# Altium PCB 1541 Interface for ZX-81.PcbDoc (part 1 of 2)
Units mm, origin at the board's own origin, x right, y up, seen from the top; angles counter-clockwise.
Board outline 70 x 70 mm, 2 copper layers (Top Layer, Bottom Layer), stack 1.569 mm thick; 47 components, 65 nets, 275 pads, 173 vias.
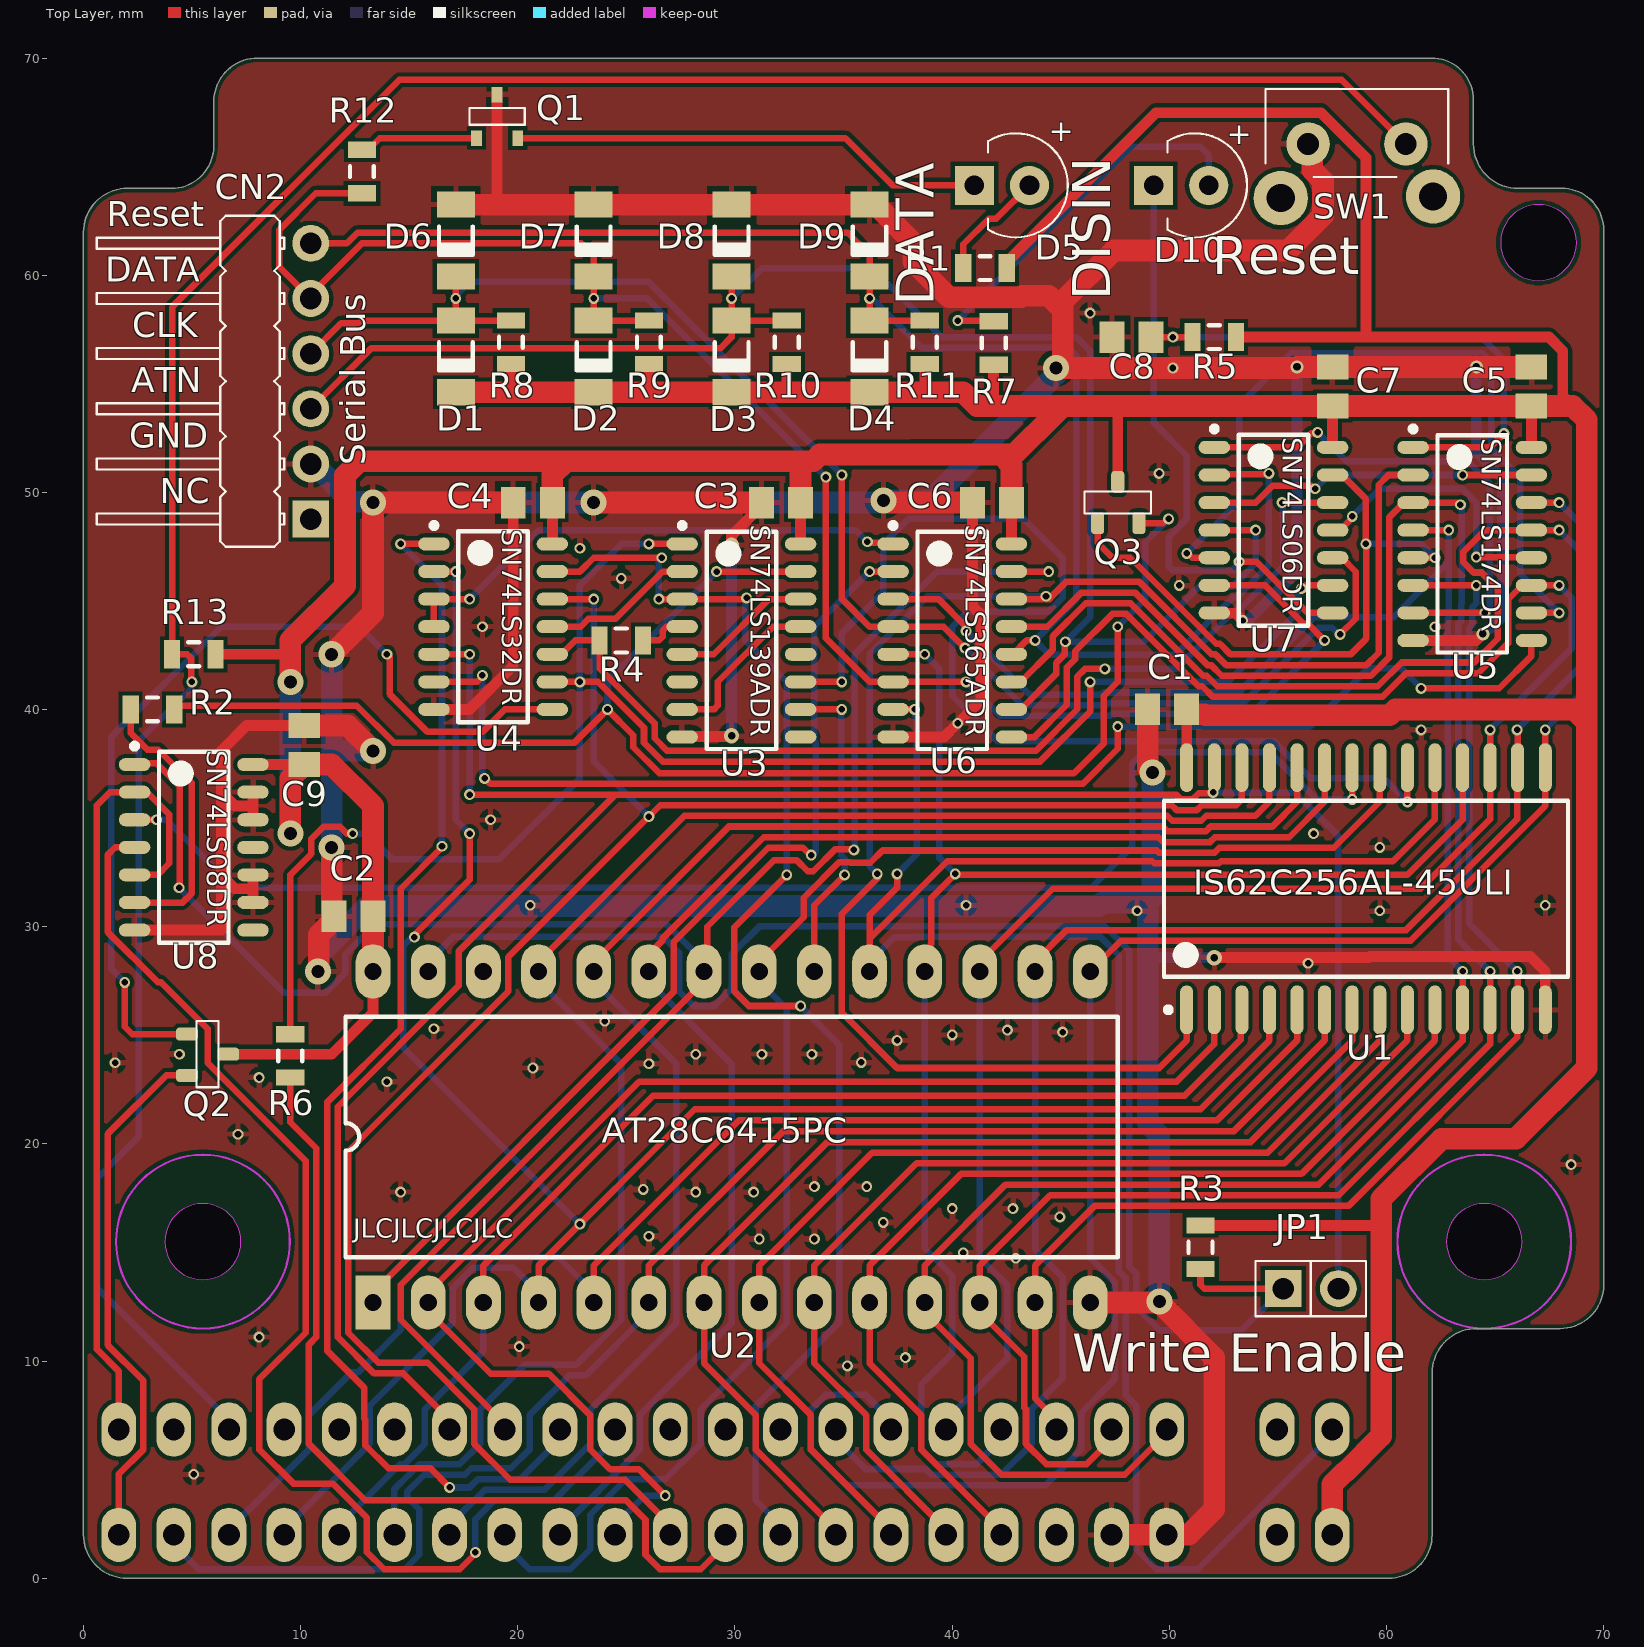
[diagram p0: Top Layer view]
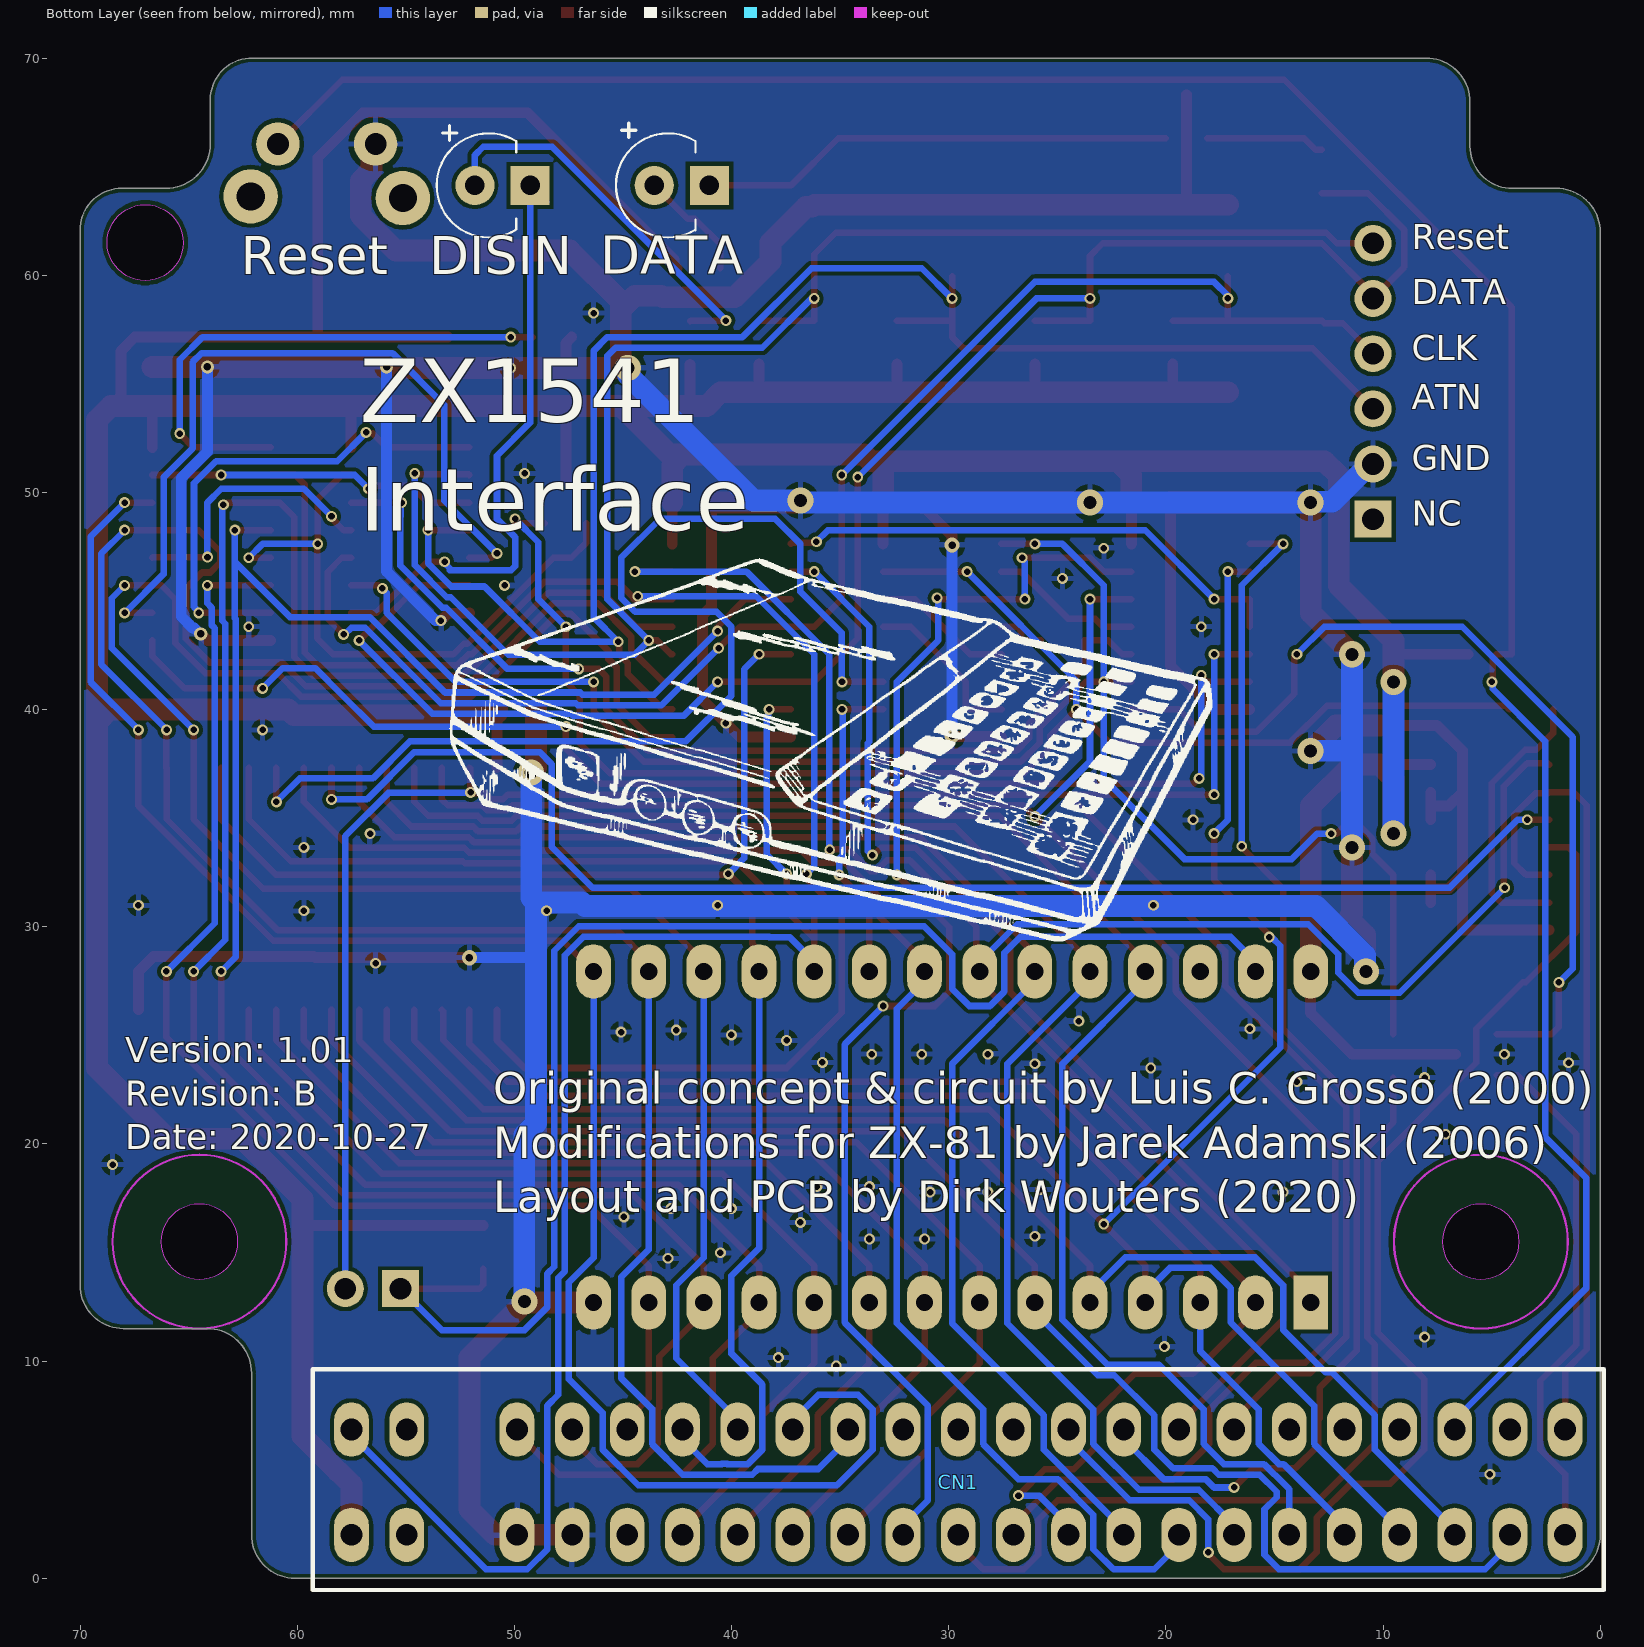
[diagram p1: Bottom Layer view, seen from below]
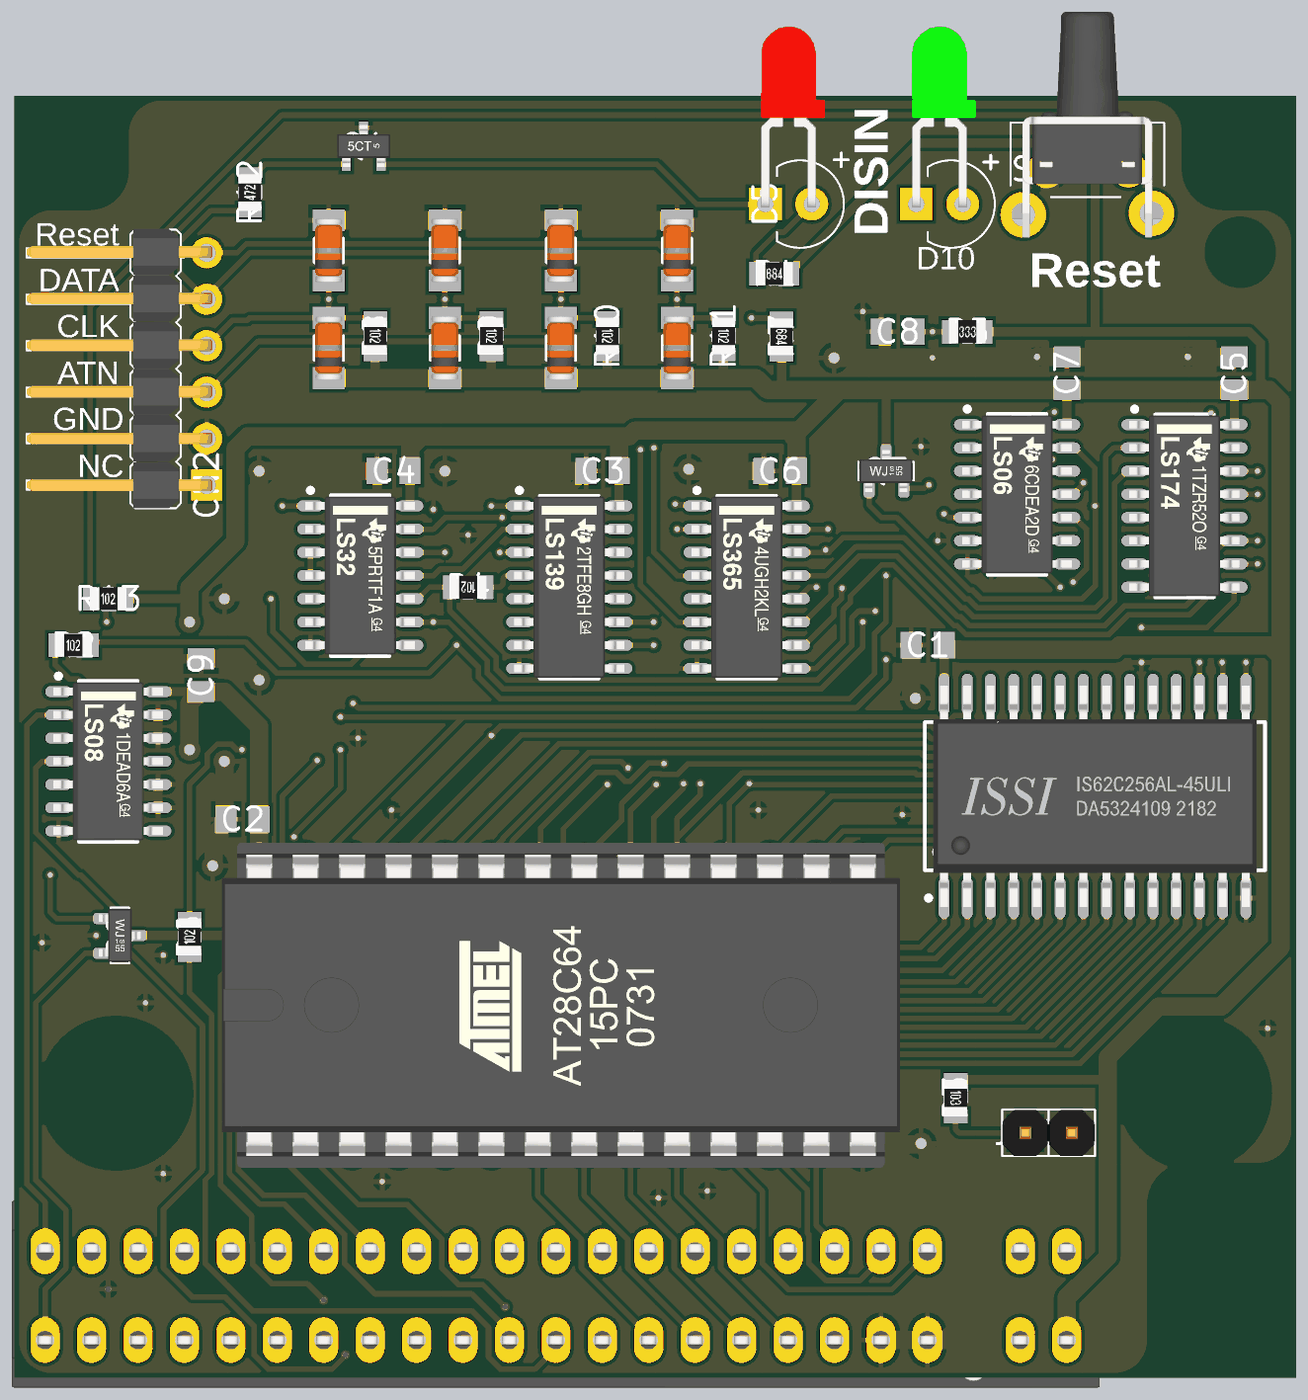
[diagram p3: 3D render of the assembled board from above, using the file's embedded part models]

## Layer stack, top to bottom
Top Solder: solder mask 0.0254, SM-001, Dk 4
Top Layer: signal copper 0.035
Dielectric 1: core 1.4986, Core-043, Dk 4.3
Bottom Layer: signal copper 0.035
Bottom Solder: solder mask 0.0254, SM-001, Dk 4

## Board outline
0,2 ccw(c2,2) 2,0 60.1,0 ccw(c60.1,2) 62.1,2 62.1,9.441 cw(c64.159,9.441) 64.159,11.5 68,11.5 ccw(c68,13.5) 70,13.5 70,62.08 ccw(c68.08,62.08) 68.08,64 66.048,64 cw(c66.048,66.048) 64,66.048 64,68.08 ccw(c62.08,68.08) 62.08,70 8.024,70 ccw(c8.024,67.976) 6,67.976 6,65.944 cw(c4.056,65.944) 4.056,64 2.024,64 ccw(c2.024,61.976) 0,61.976
cut-out: 3.75,15.5 ccw(c5.5,15.5) 5.5,13.75 ccw(c5.5,15.5) 7.25,15.5 ccw(c5.5,15.5) 5.5,17.25 ccw(c5.5,15.5)
cut-out: 62.75,15.5 ccw(c64.5,15.5) 64.5,13.75 ccw(c64.5,15.5) 66.25,15.5 ccw(c64.5,15.5) 64.5,17.25 ccw(c64.5,15.5)
cut-out: 65.25,61.5 ccw(c67,61.5) 67,59.75 ccw(c67,61.5) 68.75,61.5 ccw(c67,61.5) 67,63.25 ccw(c67,61.5)

## Design rules (kind name [scope] priority, off if disabled: settings)
BoardOutlineClearance [All] p1: gap=0.2 ignorepadtopadclearanceinfootprint=FALSE
Clearance [All] p1: gap=0.19 ignorepadtopadclearanceinfootprint=TRUE
ComponentClearance [All] p1: gap=0 collisioncheckmode=3 verticalgap=0 showdistances=FALSE
MinimumSolderMaskSliver [All] p1: minsoldermaskwidth=0.103
PolygonConnect [All] p1: connectstyle=Relief reliefconductorwidth=0.254 reliefentries=4 polygonreliefangle="90 Angle" airgapwidth=0.254
RoutingVias [All] p1: holewidth=0.3 width=0.5 viastyle="Through Hole" minholewidth=0.3 minwidth=0.5 maxholewidth=0.6 maxwidth=1
RoutingVias RoutingVias_Power [(InNet('VCC') OR InNet('GND'))] p2: holewidth=0.5 width=1 viastyle="Through Hole" minholewidth=0.3 minwidth=0.6 maxholewidth=0.7 maxwidth=1.5
SilkToSilkClearance [All] p1: silktosilkclearance=0
SilkToSolderMaskClearance [IsPad] p1: minsilkscreentomaskgap=0 clearancetoexposedcopper=TRUE
SolderMaskExpansion [All] p1: expansion=0.038 istentingtop=FALSE
Width Width_Power [(InNet('VCC') OR InNet('GND'))] p1: maxlimit=1 minlimit=0.25 preferedwidth=0.5
Width [All] p2: maxlimit=0.3 minlimit=0.2 preferedwidth=0.25
26 further rules are at their usual default settings.

## Classes and differential pairs
net class D[0..7]: D0 D1 D2 D3 D4 D5 D6 D7
net class A[0..15]: A0 A1 A2 A3 A4 A5 A6 A7 A8 A9 A10 A11 A12 A13 A14 A15

## Components (designator, comment, footprint, x,y, rotation, side; value= is the part's Value field where it differs from the comment)
C1 "0,1µF" "CAP SMD 0.1µF 50V 0805 Kemet C0805C104M5RACTU" 49.9,40.005 r0 top
C2 "0,1µF" "CAP SMD 0.1µF 50V 0805 Kemet C0805C104M5RACTU" 12.435,30.48 r0 top
C3 "0,1µF" "CAP SMD 0.1µF 50V 0805 Kemet C0805C104M5RACTU" 32.12,49.53 r0 top
C4 "0,1µF" "CAP SMD 0.1µF 50V 0805 Kemet C0805C104M5RACTU" 20.69,49.53 r0 top
C5 "0,1µF" "CAP SMD 0.1µF 50V 0805 Kemet C0805C104M5RACTU" 66.675,54.875 r270 top
C6 "0,1µF" "CAP SMD 0.1µF 50V 0805 Kemet C0805C104M5RACTU" 41.83,49.53 r0 top
C7 "0,1µF" "CAP SMD 0.1µF 50V 0805 Kemet C0805C104M5RACTU" 57.52,54.875 r270 top
C8 "1µF" "CAP 1µF 16V 0805 Kemet C0805C105K4RACTU" 48.26,57.15 r0 top
C9 "0,1µF" "CAP SMD 0.1µF 50V 0805 Kemet C0805C104M5RACTU" 10.16,38.365 r270 top
CN1 "Sinclair Edge Card Connector" "Sinclair Card Connector" 57.5,2 r180 bottom
CN2 "Serial Bus" "Pin Header 01x06 Right Angle RM2.54mm L5.08mm" 10.465,48.768 r90 top
D1 "LL4148" "MiniMELF Diode" 17.145,56.26 r90 top
D2 "LL4148" "MiniMELF Diode" 23.495,56.26 r90 top
D3 "LL4148" "MiniMELF Diode" 29.845,56.26 r90 top
D4 "LL4148" "MiniMELF Diode" 36.195,56.26 r90 top
D5 "DATA" "LED 3mm Red Right Angle 4mm" 41.021,64.135 r90 top
D6 "LL4148" "MiniMELF Diode" 17.145,61.595 r90 top
D7 "LL4148" "MiniMELF Diode" 23.495,61.595 r90 top
D8 "LL4148" "MiniMELF Diode" 29.845,61.595 r90 top
D9 "LL4148" "MiniMELF Diode" 36.195,61.595 r90 top
D10 "DISIN" "LED 3mm Green Right Angle 4mm" 49.276,64.135 r90 top
JP1 "Write Enable" "Pin Header 01x02 2.54mm Horizontal Male" 55.245,13.335 r0 top
Q1 "BC807-40LT1G" "Nexperia BC807-40 SOT23" 19.05,67.31 r0 top
Q2 "BCR135" "BCR135 SOT23" 5.715,24.13 r270 top
Q3 "BCR135" "BCR135 SOT23" 47.625,49.53 r0 top
R1 "680" "680 kOhm R 0805 SMD" 41.513,60.325 r0 top
R2 "1k" "1,0 kOhm R 0805 SMD" 3.175,40.005 r0 top
R3 "10k" "10 kOhm R 0805 SMD" 51.435,15.24 r270 top
R4 "1k" "1,0 kOhm R 0805 SMD" 24.765,43.18 r180 top
R5 "33k" "33 kOhm R 0805 SMD" 52.07,57.15 r0 top
R6 "1k" "1,0 kOhm R 0805 SMD" 9.525,24.054 r90 top
R7 "680" "680 kOhm R 0805 SMD" 41.91,56.88 r270 top
R8 "1k" "1,0 kOhm R 0805 SMD" 19.685,56.91 r270 top
R9 "1k" "1,0 kOhm R 0805 SMD" 26.035,56.91 r270 top
R10 "1k" "1,0 kOhm R 0805 SMD" 32.385,56.91 r270 top
R11 "1k" "1,0 kOhm R 0805 SMD" 38.735,56.91 r270 top
R12 "4k7" "4,7 kOhm R 0805 SMD" 12.825,64.77 r90 top
R13 "1k" "1,0 kOhm R 0805 SMD" 5.08,42.545 r0 top
SW1 "Reset" "Tactile Switch Push Button Right Angle L=8.35mm" 56.388,66.04 r180 top
U1 "IS62C256AL-45ULI" "IS62C256AL-45ULI 28L 330mil SOP" 59.055,31.75 r90 top locked
U2 "AT28C6415PC" "28C64-150 with Socket" 13.335,12.7 r90 top locked
U3 "SN74LS139ADR" "SN74LS139ADR SOIC-15 P1.27mm W3.9mm" 30.295,43.18 r0 top
U4 "SN74LS32DR" "SN74LS32DR2 SOIC-14 P1.27mm W3.9mm" 18.865,43.815 r0 top
U5 "SN74LS174DR" "SN74LS174DR SOIC-15 P1.27mm W3.9mm" 63.95,47.625 r0 top locked
U6 "SN74LS365ADR" "SN74LS365ADR SOIC-15 P1.27mm W3.9mm" 40.005,43.18 r0 top
U7 "SN74LS06DR" "SN74LS06DR SOIC-14 P1.27mm W3.9mm" 54.795,48.26 r0 top locked
U8 "SN74LS08DR" "SN74LS08DR SOIC-14 P1.27mm W3.9mm" 5.08,33.655 r0 top

## Footprints (in the part's own frame and the unit in brackets; to place one, negate y for a bottom-side part, rotate by r counter-clockwise, add the part's x,y. Pads: shape width x height; smd on the part's side, far side on the other; paste and mask are expansions set on the pad)
"1,0 kOhm R 0805 SMD" [mm] "Chip Resistor, 2-Leads, Body 2,00x1,25mm, IPC Medium Density"
  rect 0.75x1.3 smd: 1(-1,0) 2(1,0)
  silkscreen extent -0.25,-0.55 0.25,0.55, body extent -1,-0.63 1,0.63, height 0.5
"4,7 kOhm R 0805 SMD" [mm] "Chip Resistor, 2-Leads, Body 2,00x1,25mm, IPC Medium Density"
  rect 0.75x1.3 smd: 1(-1,0) 2(1,0)
  silkscreen extent -0.25,-0.55 0.25,0.55, body extent -1,-0.63 1,0.63, height 0.5
"10 kOhm R 0805 SMD" [mm] "Chip Resistor, 2-Leads, Body 2,00x1,25mm, IPC Medium Density"
  rect 0.75x1.3 smd: 1(-1,0) 2(1,0)
  silkscreen extent -0.25,-0.55 0.25,0.55, body extent -1,-0.63 1,0.63, height 0.5
"28C64-150 with Socket" [mm]
  rect 2.5x1.6 hole 0.8: 1(0,0)
  oval 2.5x1.6 hole 0.8: 2(0,-2.54) 3(0,-5.08) 4(0,-7.62) 5(0,-10.16) 6(0,-12.7) 7(0,-15.24) 8(0,-17.78) 9(0,-20.32) 10(0,-22.86) 11(0,-25.4) 12(0,-27.94) 13(0,-30.48) 14(0,-33.02) 15(15.24,-33.02) 16(15.24,-30.48) 17(15.24,-27.94) 18(15.24,-25.4) 19(15.24,-22.86) 20(15.24,-20.32) 21(15.24,-17.78) 22(15.24,-15.24) 23(15.24,-12.7) 24(15.24,-10.16) 25(15.24,-7.62) 26(15.24,-5.08) 27(15.24,-2.54) 28(15.24,0)
  silkscreen extent 2.08,-34.29 13.16,1.27, body extent -1.27,-35.06 16.51,2.04, height 8.64
"33 kOhm R 0805 SMD" [mm] "Chip Resistor, 2-Leads, Body 2,00x1,25mm, IPC Medium Density"
  rect 0.75x1.3 smd: 1(-1,0) 2(1,0)
  silkscreen extent -0.25,-0.55 0.25,0.55, body extent -1,-0.63 1,0.63, height 0.5
"680 kOhm R 0805 SMD" [mm] "Chip Resistor, 2-Leads, Body 2,00x1,25mm, IPC Medium Density"
  rect 0.75x1.3 smd: 1(-1,0) 2(1,0)
  silkscreen extent -0.25,-0.55 0.25,0.55, body extent -1,-0.63 1,0.63, height 0.5
"BCR135 SOT23" [mm]
  rrect50% 0.6x1 smd: 1(-0.924,-0.95) 2(0.976,-0.95) 3(0,0.95)
  silkscreen extent -1.52,-0.51 1.52,0.51, body extent -1.45,-1.15 1.45,1.15, height 1
"CAP 1µF 16V 0805 Kemet C0805C105K4RACTU" [mm] "Chip Capacitor, 2-Leads, Body 2,00x1,25mm, IPC Medium Density"
  rect 1.15x1.45 smd: 1(-0.9,0) 2(0.9,0)
  body extent -1,-0.62 1,0.63, height 1
"CAP SMD 0.1µF 50V 0805 Kemet C0805C104M5RACTU" [mm] "Chip Capacitor, 2-Leads, Body 2,00x1,25mm, IPC Medium Density"
  rect 1.15x1.45 smd: 1(-0.9,0) 2(0.9,0)
  body extent -1,-0.62 1,0.62, height 0.78
"IS62C256AL-45ULI 28L 330mil SOP" [mm] "SOP, 28-Leads, Body 18,16x8,57mm, Pitch 1,27mm, IPC Medium Density"
  oval 2.25x0.6 smd: 1(-5.575,8.255) 2(-5.575,6.985) 3(-5.575,5.715) 4(-5.575,4.445) 5(-5.575,3.175) 6(-5.575,1.905) 7(-5.575,0.635) 8(-5.575,-0.635) 9(-5.575,-1.905) 10(-5.575,-3.175) 11(-5.575,-4.445) 12(-5.575,-5.715) 13(-5.575,-6.985) 14(-5.575,-8.255) 15(5.575,-8.255) 16(5.575,-6.985) 17(5.575,-5.715) 18(5.575,-4.445) 19(5.575,-3.175) 20(5.575,-1.905) 21(5.575,-0.635) 22(5.575,0.635) 23(5.575,1.905) 24(5.575,3.175) 25(5.575,4.445) 26(5.575,5.715) 27(5.575,6.985) 28(5.575,8.255)
  silkscreen extent -5.7,-9.3 4.05,9.3, body extent -6.05,-8.85 6.05,8.85, height 3
"LED 3mm Green Right Angle 4mm" [mm]
  rect 1.8x1.8 hole 0.9: 1(0,0)
  round 1.8 hole 0.9: 2(0,-2.54)
  body extent -0.2,-3.27 9.71,0.23, height 4
"LED 3mm Red Right Angle 4mm" [mm]
  rect 1.8x1.8 hole 0.9: 1(0,0)
  round 1.8 hole 0.9: 2(0,-2.54)
  body extent -0.2,-3.27 9.71,0.23, height 4
"MiniMELF Diode" [mm] "MELF Diode, 2-Leads, Body 3,50x1,50mm, IPC Medium Density"
  rect 1.2x1.75 smd: 1(-1.65,0) 2(1.65,0)
  silkscreen extent -0.65,-0.77 0.65,0.78, body extent -1.75,-0.75 1.75,0.75, height 1.5
"Nexperia BC807-40 SOT23" [mm]
  rect 0.5x0.7 smd: 1(-0.95,-1) 2(0.95,-1) 3(0,1)
  silkscreen extent -1.27,-0.38 1.27,0.38, body extent -1.45,-1.15 1.45,1.15, height 1
"Pin Header 01x02 2.54mm Horizontal Male" [mm]
  rect 1.7x1.7 hole 1: 1(0,0)
  round 1.7 hole 1: 2(2.54,0)
  silkscreen extent -1.27,-1.27 3.81,1.27, body extent -1.27,-1.27 3.81,1.27, height 8.34
"Pin Header 01x06 Right Angle RM2.54mm L5.08mm" [mm]
  rect 1.7x1.7 hole 1: 1(0,0)
  round 1.7 hole 1: 2(2.54,0) 3(5.08,0) 4(7.62,0) 5(10.16,0) 6(12.7,0)
  silkscreen extent -1.27,1.22 13.97,9.86, body extent -1.27,-0.32 14.02,9.86, height 2.5
"Sinclair Card Connector" [mm] "C64 Expansion Port EDGE Connector Straight"
  oval 1.6x2.5 hole 1: 1A(0,4.85) 1B(0,0) 2A(2.54,4.85) 2B(2.54,0) 4A(7.62,4.85) 4B(7.62,0) 5A(10.16,4.85) 5B(10.16,0) 6A(12.7,4.85) 6B(12.7,0) 7A(15.24,4.85) 7B(15.24,0) 8A(17.78,4.85) 8B(17.78,0) 9A(20.32,4.85) 9B(20.32,0) 10A(22.86,4.85) 10B(22.86,0) 11A(25.4,4.85) 11B(25.4,0) 12A(27.94,4.85) 12B(27.94,0) 13A(30.48,4.85) 13B(30.48,0) 14A(33.02,4.85) 14B(33.02,0) 15A(35.56,4.85) 15B(35.56,0) 16A(38.1,4.85) 16B(38.1,0) 17A(40.64,4.85) 17B(40.64,0) 18A(43.18,4.85) 18B(43.18,0) 19A(45.72,4.85) 19B(45.72,0) 20A(48.26,4.85) 20B(48.26,0) 21A(50.8,4.85) 21B(50.8,0) 22A(53.34,4.85) 22B(53.34,0) 23A(55.88,4.85) 23B(55.88,0)
  silkscreen extent -1.78,-2.54 57.66,7.62, body extent -1.81,-2.59 57.69,7.61, height 20.7
"SN74LS06DR SOIC-14 P1.27mm W3.9mm" [mm] "SOIC, 14-Leads, Body 8,65x3,90mm, Pitch 1,27mm, IPC Medium Density"
  oval 1.45x0.6 smd: 1(-2.725,3.81) 2(-2.725,2.54) 3(-2.725,1.27) 4(-2.725,0) 5(-2.725,-1.27) 6(-2.725,-2.54) 7(-2.725,-3.81) 8(2.725,-3.81) 9(2.725,-2.54) 10(2.725,-1.27) 11(2.725,0) 12(2.725,1.27) 13(2.725,2.54) 14(2.725,3.81)
  silkscreen extent -2.85,-4.4 1.6,4.78, body extent -3.01,-4.32 2.99,4.32, height 1.54
"SN74LS08DR SOIC-14 P1.27mm W3.9mm" [mm] "SOIC, 14-Leads, Body 8,65x3,90mm, Pitch 1,27mm, IPC Medium Density"
  oval 1.45x0.6 smd: 1(-2.725,3.81) 2(-2.725,2.54) 3(-2.725,1.27) 4(-2.725,0) 5(-2.725,-1.27) 6(-2.725,-2.54) 7(-2.725,-3.81) 8(2.725,-3.81) 9(2.725,-2.54) 10(2.725,-1.27) 11(2.725,0) 12(2.725,1.27) 13(2.725,2.54) 14(2.725,3.81)
  silkscreen extent -2.85,-4.4 1.6,4.78, body extent -3.01,-4.32 2.99,4.32, height 1.54
"SN74LS32DR2 SOIC-14 P1.27mm W3.9mm" [mm] "SOIC, 14-Leads, Body 8,65x3,90mm, Pitch 1,27mm, IPC Medium Density"
  oval 1.45x0.6 smd: 1(-2.725,3.81) 2(-2.725,2.54) 3(-2.725,1.27) 4(-2.725,0) 5(-2.725,-1.27) 6(-2.725,-2.54) 7(-2.725,-3.81) 8(2.725,-3.81) 9(2.725,-2.54) 10(2.725,-1.27) 11(2.725,0) 12(2.725,1.27) 13(2.725,2.54) 14(2.725,3.81)
  silkscreen extent -2.85,-4.4 1.6,4.78, body extent -3.01,-4.32 2.99,4.32, height 1.54
"SN74LS139ADR SOIC-15 P1.27mm W3.9mm" [mm] "SOIC, 16-Leads, Body 9,90x3,90mm, Pitch 1,27mm, IPC Medium Density"
  oval 1.45x0.6 smd: 1(-2.725,4.445) 2(-2.725,3.175) 3(-2.725,1.905) 4(-2.725,0.635) 5(-2.725,-0.635) 6(-2.725,-1.905) 7(-2.725,-3.175) 8(-2.725,-4.445) 9(2.725,-4.445) 10(2.725,-3.175) 11(2.725,-1.905) 12(2.725,-0.635) 13(2.725,0.635) 14(2.725,1.905) 15(2.725,3.175) 16(2.725,4.445)
  silkscreen extent -2.85,-5 1.6,5.42, body extent -3.01,-4.95 3.01,4.95, height 1.54
"SN74LS174DR SOIC-15 P1.27mm W3.9mm" [mm] "SOIC, 16-Leads, Body 9,90x3,90mm, Pitch 1,27mm, IPC Medium Density"
  oval 1.45x0.6 smd: 1(-2.725,4.445) 2(-2.725,3.175) 3(-2.725,1.905) 4(-2.725,0.635) 5(-2.725,-0.635) 6(-2.725,-1.905) 7(-2.725,-3.175) 8(-2.725,-4.445) 9(2.725,-4.445) 10(2.725,-3.175) 11(2.725,-1.905) 12(2.725,-0.635) 13(2.725,0.635) 14(2.725,1.905) 15(2.725,3.175) 16(2.725,4.445)
  silkscreen extent -2.85,-5 1.6,5.42, body extent -3.01,-4.95 3.01,4.95, height 1.54
"SN74LS365ADR SOIC-15 P1.27mm W3.9mm" [mm] "SOIC, 16-Leads, Body 9,90x3,90mm, Pitch 1,27mm, IPC Medium Density"
  oval 1.45x0.6 smd: 1(-2.725,4.445) 2(-2.725,3.175) 3(-2.725,1.905) 4(-2.725,0.635) 5(-2.725,-0.635) 6(-2.725,-1.905) 7(-2.725,-3.175) 8(-2.725,-4.445) 9(2.725,-4.445) 10(2.725,-3.175) 11(2.725,-1.905) 12(2.725,-0.635) 13(2.725,0.635) 14(2.725,1.905) 15(2.725,3.175) 16(2.725,4.445)
  silkscreen extent -2.85,-5 1.6,5.42, body extent -3.01,-4.95 3.01,4.95, height 1.54
"Tactile Switch Push Button Right Angle L=8.35mm" [mm] "Tactile Switch SPST-NO Side Actuated Through Hole, Right Angle 1-1825027-1"
  round 2 hole 1: 1(0,0) 2(-4.5,0)
  round 2.5 hole 1.3: 3(1.255,2.49) 4(-5.755,2.413)
  silkscreen extent -6.45,-2.54 1.96,1.52, body extent -6.45,-8.61 1.96,3.75, height 7.06

## Part data
C1 C2 C3 C4 C5 C6 C7 C9: library part CMP-Capacitors-Ceramic_Capacitors-00028-1, "Capacitor; Ceramic; Cap; .100uF; Tol 20%; SMT; Vol-Rtg 50V; X7R; Tape and Reel", Capacitance=100nF, Case/Package=0805, Dielectric=X7R, Dielectric Material=Ceramic, Max Operating Temperature=125°C, Min Operating Temperature=-55°C, Tolerance=20%, Voltage Rating (DC)=50V, Depth=1.25mm, Height=0.9mm, Length=2mm, Mount="Surface Mount", Packaging="Tape and Reel", Radiation Hardening=No
C8: library part CMP-Capacitors-Ceramic_Capacitors-00042-2, "KEMET - C0805C105K4RACTU - SMD Multilayer Ceramic Capacitor, 1 µF, 16 V, 0805 [2012 Metric], ± 10%, X7R, C Series KEMET", Capacitance=1uF, Case Code (Imperial)=0805, Case Code (Metric)=2012, Dielectric=X7R, Dielectric Material=Ceramic, Max Operating Temperature=125°C, Min Operating Temperature=-55°C, Package Quantity=1, Tolerance=10%, Voltage=16V, Case/Package=0805, Contact Plating=Tin,Matte, Depth=1.25mm, Dissipation Factor=5%, Height=0.9mm, Lead Pitch=0.75mm, Length=2mm, Mount="Surface Mount,PCB", Number of Pins=2, Packaging="Tape and Reel", Radiation Hardening=No, REACH SVHC="No SVHC", Termination=SMD/SMT, Thickness=0.039inch, Voltage Rating=16V, Voltage Rating (DC)=16V, Width=0.049inch
CN1: library part CMP-Connectors-00027-6
CN2: library part CMP-Connectors-Male_PIN_Headers-00025-2, "CONN HEADER R/A 6POS 2.54MM", Color=Black, Package Quantity=1, Connector Type="Male Pin", Contact Mating Length=0.23inch, Contact Plating=Gold, Mount="Through Hole", Number of Positions=6, Number of Rows=1, Packaging=Bulk, Pitch=0.1inch, Termination=Solder
D1 D2 D3 D4 D6 D7 D8 D9: library part CMP-Diodes-00018-2, "ON SEMICONDUCTOR - LL4148 - Small Signal Diode, Single, 100 V, 200 mA, 1 V, 4 ns, 2 A", Average Rectified Current=200mA, Forward Voltage=1V, Max Forward Surge Current (Ifsm)=2A, Max Operating Temperature=175°C, Max Repetitive Reverse Voltage (Vrrm)=100V, Max Reverse Current=25nA, Min Operating Temperature=-65°C, Package Quantity=2500, Power Dissipation=500mW, Contact Plating=Tin,Matte, Element Configuration=Single, Forward Current=200mA, Height=1.5mm, Lead Free="Lead Free", Length=3.6mm, Max Reverse Voltage (DC)=100V, Max Surge Current=2A, Mount="Surface Mount", Number of Pins=2, Packaging="Tape and Reel", Peak Non-Repetitive Surge Current=2A, Radiation Hardening=No, REACH SVHC="No SVHC", Recovery Time=4ns, Reverse Recovery Time=4ns, Reverse Voltage=100V, Voltage=100V, Weight=0.01lb, Width=1.5mm
D5: library part CMP-LEDs-00000-4, "WURTH ELEKTRONIK   151033RS03000   LED, 3MM,  RED, 2600MCD, 621NM", Case/Package=Radial, Color=Red, Forward Current=30mA, Forward Voltage=2V, Max Operating Temperature=85°C, Min Operating Temperature=-40°C, Package Quantity=1, Test Current=20mA, Dominant Wavelength=621nm, Height=5.55mm, Lens Size=3mm, Lens Style=Clear,Circular,Round, Luminous Intensity=2600mcd, Mount="Through Hole", Packaging=Bulk, REACH SVHC=Unknown, Viewing Angle=30°, Wavelength=621nm
D10: library part CMP-LEDs-00007-1, "WURTH ELEKTRONIK - 151033GS03000 - LED, Green, T-1 (3mm), 530 nm, 3.2 V, 30 mA, 15 cd RoHS Compliant: Yes", Case/Package=Radial, Color=Green, Forward Current=30mA, Forward Voltage=3.2V, Max Operating Temperature=85°C, Min Operating Temperature=-40°C, Package Quantity=1, Test Current=20mA, Dominant Wavelength=530nm, Height=5.55mm, Lens Size=3mm, Lens Style=Clear,Round,Circular, Luminous Intensity=15000mcd, Mount="Through Hole", Packaging=Bulk, REACH SVHC=Unknown, Viewing Angle=30°, Wavelength=530nm
JP1: library part CMP-Connectors-Male_PIN_Headers-00001-4, "CONN HEADER .100\" SNGL STR 2POS", Color=Black, Package Quantity=1, Connector Type="Male Pin", Contact Mating Length=0.318inch, Contact Plating=Gold, Mount="Through Hole", Number of Positions=2, Number of Rows=1, Packaging=Bulk, Pitch=0.1inch, Termination=Solder
Q1: library part CMP-Transistors-00011-1, "Silicon Transistor Plastic,  BC807-40LT1G", Case/Package=SOT-23-3, Collector Base Voltage (VCBO)=50V, Collector Emitter Breakdown Voltage=45V, Collector Emitter Saturation Voltage=-700mV, Emitter Base Voltage (VEBO)=5V, Frequency=100MHz, Max Collector Current=500mA, Max Operating Temperature=150°C, Max Power Dissipation=300mW, Min Operating Temperature=-55°C, Package Quantity=1, Collector Emitter Voltage (VCEO)=45V, Contact Plating=Tin,Matte, Element Configuration=Single, Gain Bandwidth Product=100MHz, Halogen Free="Halogen Free", Height=0.94mm, hFE Min=250, Lead Free="Lead Free", Length=2.9mm, Max Breakdown Voltage=45V, Max Frequency=100MHz, Number of Elements=1, Number of Pins=3, Packaging="Tape and Reel", Polarity=PNP, Power Dissipation=300mW, Radiation Hardening=No, REACH SVHC="No SVHC", Transition Frequency=100MHz, Width=1.3mm
Q2 Q3: library part CMP-Transistors-00010-1, "BCR135 Series NPN 50 V 100 mA SMT Silicon Digital Transistor - SOT-23-3", Case/Package=SOT, Collector Emitter Saturation Voltage=300mV, Collector Emitter Voltage (VCEO)=50V, Max Collector Current=100mA, Max Operating Temperature=150°C, Min Operating Temperature=-65°C, Power Dissipation=200mW, Element Configuration=Single, Height=1mm, hFE Min=70, Length=2.9mm, Number of Pins=3, Packaging="Tape and Reel", Polarity=NPN, Width=1.3mm
R1 R7: library part CMP-Resistors-Yageo_SMD_0805-0140-1, "RES SMD 680K OHM 1% 1/8W 0805", Case Code (Imperial)=0805, Case Code (Metric)=2012, Max Operating Temperature=155°C, Max Power Dissipation=125mW, Min Operating Temperature=-55°C, Package Quantity=1, Resistance=680kR, Temperature Coefficient=100ppm/°C, Tolerance=1%, Voltage Rating=150V, Case/Package=0805, Composition="Thick Film", Contact Plating=Tin,Matte, Depth=1.25mm, Features="Moisture Resistant", Height=0.024inch, Lead Free="Lead Free", Length=0.079inch, Military Standard=Not, Number of Terminations=2, Packaging="Tape and Reel", Power Rating=125mW, Radiation Hardening=No, REACH SVHC=Unknown, Termination=SMD/SMT, Width=0.049inch
R2 R4 R6 R8 R9 R10 R11 R13: library part CMP-Resistors-Yageo_SMD_0805-0072-1, "RES SMD 1K OHM 1% 1/8W 0805", Case Code (Imperial)=0805, Case Code (Metric)=2012, Max Operating Temperature=155°C, Max Power Dissipation=125mW, Min Operating Temperature=-55°C, Package Quantity=1, Resistance=1kR, Temperature Coefficient=100ppm/°C, Tolerance=1%, Voltage Rating=150V, Case/Package=0805, Composition="Thick Film", Depth=1.25mm, Features="Moisture Resistant", Height=0.024inch, Lead Free="Lead Free", Length=0.079inch, Military Standard=Not, Number of Pins=2, Number of Terminations=2, Packaging="Tape and Reel", Power Rating=125mW, REACH SVHC=Unknown, Termination=SMD/SMT, Voltage Rating (DC)=150V, Width=0.049inch
R3: library part CMP-Resistors-Yageo_SMD_0805-0096-1, "RES SMD 10K OHM 1% 1/8W 0805", Case Code (Imperial)=0805, Case Code (Metric)=2012, Max Operating Temperature=155°C, Max Power Dissipation=125mW, Min Operating Temperature=-55°C, Package Quantity=1, Resistance=10kR, Temperature Coefficient=100ppm/°C, Tolerance=1%, Voltage Rating=150V, Case/Package=0805, Composition="Thick Film", Depth=1.25mm, Features="Moisture Resistant", Height=0.024inch, Lead Free="Lead Free", Length=2mm, Military Standard=Not, Number of Terminations=2, Packaging="Tape and Reel", Power Rating=125mW, REACH SVHC=Unknown, Termination=SMD/SMT, Width=0.049inch
R5: library part CMP-Resistors-Yageo_SMD_0805-0108-1, "RES SMD 33K OHM 1% 1/8W 0805", Case Code (Imperial)=0805, Case Code (Metric)=2012, Max Operating Temperature=155°C, Max Power Dissipation=125mW, Min Operating Temperature=-55°C, Package Quantity=1, Resistance=33kR, Temperature Coefficient=100ppm/°C, Tolerance=1%, Voltage Rating=150V, Case/Package=0805, Composition="Thick Film", Depth=1.25mm, Features="Moisture Resistant", Height=0.024inch, Lead Free="Lead Free", Length=0.079inch, Number of Terminations=2, Packaging="Tape and Reel", Power Rating=125mW, REACH SVHC=Unknown, Termination=SMD/SMT, Width=0.049inch, Working Voltage=150V
R12: library part CMP-Resistors-Yageo_SMD_0805-0087-1, "YAGEO (PHYCOMP)         RC0805FR-074K7L             SMD Chip Resistor, Thick Film, 4.7 kohm, 150 V, 0805 [2012 Metric], 250 mW,  1%", Case Code (Imperial)=0805, Case Code (Metric)=2012, Max Operating Temperature=155°C, Max Power Dissipation=125mW, Min Operating Temperature=-55°C, Package Quantity=5000, Resistance=4.7kR, Temperature Coefficient=100ppm/°C, Tolerance=1%, Voltage Rating=150V, Case/Package=0805, Composition="Thick Film", Depth=1.25mm, Features="Moisture Resistant", Height=0.024inch, Lead Free="Lead Free", Length=0.079inch, Military Standard=Not, Number of Pins=2, Number of Terminations=2, Packaging="Tape and Reel", Power Rating=125mW, REACH SVHC="No SVHC", Termination=SMD/SMT, Voltage Rating (DC)=150V, Width=0.049inch
SW1: library part CMP-Switches-00004-1, "SWITCH TACTILE SPST-NO 0.05A 24V", Contact Current Rating=50mA, Contact Resistance=100mR, Illumination Color=Black, Max Operating Temperature=85°C, Max Voltage Rating (DC)=24V, Min Operating Temperature=-35°C, Operating Force=160gf, Package Quantity=1000, Actuator Length=0.226inch, Actuator Material=PBT, Actuator Type=Standard, Contact Material="Copper Alloy", Contact Plating=Silver, Depth=12.36mm, Electrical Life=100000Cycles, ELV=Compliant, Height=7.3mm, Illumination Type=Non-Illuminated, Lead Free="Lead Free", Length=7.11mm, Max Current Rating=50mA, Mechanical Life=100000Cycles, Mount="Through Hole", Orientation=Straight, Packaging="Loose Piece", Radiation Hardening=No, Switch Function=Off-Mom, Switch Travel=0.25mm, Termination="PC Pins", Throw Configuration=SPST, Type=Switch, Width=6mm
U1: library part CMP-ICs-Memory-00012-3, "SRAM Chip Async Single 5V 256K-Bit 32K x 8 45ns 28-Pin SOP", Case/Package=SOP, Max Frequency=22MHz, Max Operating Temperature=85°C, Max Supply Voltage=5.5V, Min Operating Temperature=-40°C, Min Supply Voltage=4.5V, Nominal Supply Current=25mA, Operating Supply Voltage=5V, Package Quantity=120, Access Time=45ns, Address Bus Width=15b, Density=256Kb, Height=2.84mm, Interface=Parallel, Lead Free="Lead Free", Length=18.24mm, Memory Size=256Kb, Memory Type="RAM,SRAM - Asynchronous", Number of Pins=28, Number of Ports=1, Number of Words=32000, Packaging=Rail/Tube, Radiation Hardening=No, REACH SVHC="No SVHC", Sync/Async=Asynchronous, Voltage=5V, Width=8.53mm, Word Size=8b
U2: library part CMP-ICs-Memory-00010-2, "IC EEPROM 64KBIT 150NS 28DIP", Case/Package=PDIP, Frequency=150GHz, Max Operating Temperature=70°C, Max Supply Voltage=5.5V, Min Operating Temperature=0°C, Min Supply Voltage=4.5V, Nominal Supply Current=30mA, Package Quantity=14, Access Time=150ns, Density=64Kb, Interface=Parallel, Lead Free="Contains Lead", Memory Size=64Kb, Memory Type=EEPROM, Mount="Through Hole", Number of Pins=28, Packaging=Rail/Tube
U3: library part CMP-ICs-74xx-series-00066-1, "Decoder/Demultiplexer Dual 2-to-4 16-Pin SOIC T/R", Case/Package=SOIC, High Level Output Current=-400uA, Low Level Output Current=8mA, Max Operating Temperature=70°C, Max Supply Voltage=5.25V, Min Operating Temperature=0°C, Min Supply Voltage=4.75V, Operating Supply Voltage=5V, Package Quantity=2500, Bandwidth=35MHz, Independent Circuits=2, Lead Free="Lead Free", Logic Function=Demultiplexer,Decoder, Mount="Surface Mount", Number of Bits=4, Number of Channels=2, Number of Elements=2, Number of Input Lines=2, Number of Inputs=2, Number of Output Lines=4, Number of Outputs=4, Number of Pins=16, Packaging="Tape and Reel", Polarity=Inverting, Propagation Delay=33ns, Radiation Hardening=No, Supply Type=Single, Turn-On Delay Time=38ns, Weight=0.004998oz
U4: library part CMP-ICs-74xx-series-00065-1, "IC GATE OR 4CH 2-INP 14SOIC", Case/Package=SOIC, High Level Output Current=-16mA, Low Level Output Current=800uA, Max Operating Temperature=70°C, Max Supply Voltage=5.25V, Min Operating Temperature=0°C, Min Supply Voltage=4.75V, Operating Supply Voltage=5V, Output Current=8mA, Package Quantity=2500, Quiescent Current=4.9mA, Lead Free="Lead Free", Logic Function="OR GATE", Mount="Surface Mount", Number of Bits=4, Number of Circuits=4, Number of Elements=4, Number of Gates=4, Number of Input Lines=2, Number of Inputs=2, Number of Output Lines=1, Number of Outputs=1, Number of Pins=14, Output Type=TTL, Packaging="Tape and Reel", Propagation Delay=22ns, Radiation Hardening=No, REACH SVHC="No SVHC", Turn-On Delay Time=22ns, Weight=0.004564oz
U5: library part CMP-ICs-74xx-series-00067-1, "Flip Flops Hex", Case/Package=SOIC, Frequency=40MHz, High Level Output Current=-400uA, Low Level Output Current=8mA, Max Operating Temperature=70°C, Max Supply Voltage=5.25V, Min Operating Temperature=0°C, Min Supply Voltage=4.75V, Operating Supply Voltage=5V, Package Quantity=2500, Clock Edge Trigger Type="Positive Edge", Lead Free="Lead Free", Logic Function=D-Type,Flip-Flop, Mount="Surface Mount", Number of Bits=6, Number of Bits per Element=6, Number of Circuits=7, Number of Elements=1, Number of Input Lines=2, Number of Output Lines=2, Number of Pins=16, Output Current=8mA, Output Type=TTL, Packaging="Tape and Reel", Polarity=Non-Inverting, Propagation Delay=30ns, Radiation Hardening=No, Turn-On Delay Time=35ns, Weight=0.004998oz
U6: library part CMP-ICs-74xx-series-00068-1, "IC BUFF/DVR TRI-ST 6BIT 16SOIC", Case/Package=SOIC, High Level Output Current=-2.6mA, Low Level Output Current=24mA, Max Operating Temperature=70°C, Max Supply Voltage=5.25V, Min Operating Temperature=0°C, Min Supply Voltage=4.75V, Operating Supply Voltage=5V, Package Quantity=2500, Contact Plating=Gold, Lead Free="Lead Free", Logic Function=Buffer,Inverting, Mount="Surface Mount", Number of Bits=6, Number of Bits per Element=6, Number of Elements=1, Number of Input Lines=6, Number of Output Lines=6, Number of Outputs=6, Number of Pins=16, Packaging="Tape and Reel", Polarity=Non-Inverting, Propagation Delay=22ns, Radiation Hardening=No
U7: library part CMP-ICs-74xx-series-00051-2, "IC INVERTER OPEN COL 6CH 14SOIC", Case/Package=SOIC, High Level Output Current=-250uA, Low Level Output Current=40mA, Max Operating Temperature=70°C, Max Supply Voltage=5.25V, Min Operating Temperature=0°C, Min Supply Voltage=4.75V, Operating Supply Voltage=5V, Package Quantity=1, Contact Plating=Gold, Lead Free="Lead Free", Logic Function=Buffer,Inverter, Mount="Surface Mount", Number of Bits=6, Number of Channels=6, Number of Circuits=6, Number of Elements=6, Number of Gates=6, Number of Input Lines=6, Number of Inputs=6, Number of Output Lines=6, Number of Outputs=6, Number of Pins=14, Packaging="Tape and Reel", Polarity=Inverting, Propagation Delay=20ns, Radiation Hardening=No, REACH SVHC="No SVHC", Turn-On Delay Time=20ns
U8: library part CMP-ICs-74xx-series-00069-1, "TEXAS INSTRUMENTS         SN74LS08DR             AND Gate, 8 Input, 4 Gate, 8 mA, 4.75V to 5.25V, SOIC-14", Case/Package=SOIC, High Level Output Current=-800uA, Low Level Output Current=16mA, Max Operating Temperature=70°C, Max Supply Voltage=5.25V, Min Operating Temperature=0°C, Min Supply Voltage=4.75V, Operating Supply Voltage=5V, Output Current=8mA, Package Quantity=2500, Quiescent Current=4.4mA, Contact Plating=Gold, Lead Free="Lead Free", Logic Function="AND GATE", Mount="Surface Mount", Number of Bits=4, Number of Circuits=4, Number of Elements=4, Number of Gates=4, Number of Input Lines=2, Number of Inputs=2, Number of Output Lines=1, Number of Outputs=1, Number of Pins=14, Packaging="Tape and Reel", Propagation Delay=20ns, Radiation Hardening=No, REACH SVHC="No SVHC", Turn-On Delay Time=25ns, Weight=0.004564oz

## Via types
v1: diameter 0.5, hole 0.3, Top Layer to Bottom Layer, tented both sides, 155 vias
v2: diameter 1.2, hole 0.6, Top Layer to Bottom Layer, tented both sides, 12 vias
v3: diameter 0.6, hole 0.35, Top Layer to Bottom Layer, tented both sides, 3 vias
v4: diameter 0.7, hole 0.35, Top Layer to Bottom Layer, tented both sides, 3 vias

## Nets (pads, with @x,y where several pads share a name; then routed paths per layer and width w, separated by ;. In a path a pad name is that pad's centre, name@x,y a point inside that pad or via, vN(x,y) a via of type N, cw(c..) or ccw(c..) an arc to the next point about the centre after c; other vN are vias at no path point)
0\0\0\: R4.1 U3.4 | length 2.2
  Top Layer w0.3: R4.1@25.765,43.18 26.494,43.18 26.67,43.356 26.67,43.639 26.846,43.815 U3.4@27.57,43.815
0\0\1\: U3.5 U3.14 | length 6.5
  Top Layer w0.3: U3.5@27.57,42.545 29.025,42.545 31.565,45.085 U3.14@33.02,45.085
1\0\X\: U3.7 U3.13 | length 7.7
  Top Layer w0.3: U3.7@27.57,40.005 29.034,40.005 29.21,40.181 29.21,41.275 31.75,43.815 U3.13@33.02,43.815
A0: CN1.7B U1.10 U2.10 | length 46.7
  Top Layer w0.3: CN1.7B@42.26,2 42.26,2.248 38.58,5.928 38.58,7.512 36.195,9.897 U2.10@36.195,12.7 36.195,14.4 40.41,18.615 56.08,18.615 62.23,24.765 U1.10@62.23,26.175
A1: CN1.8B U1.9 U2.9 | length 47.9
  Top Layer w0.3: CN1.8B@39.72,2 39.72,2.248 36.04,5.928 36.04,7.512 33.655,9.897 U2.9@33.655,12.7 33.655,14.4 38.36,19.105 55.3,19.105 60.96,24.765 U1.9@60.96,26.175
A2: CN1.9B U1.8 U2.8 | length 49.2
  Top Layer w0.3: CN1.9B@37.18,2 37.18,2.248 33.5,5.928 33.5,7.512 31.115,9.897 U2.8@31.115,12.7 31.115,14.4 36.31,19.595 54.52,19.595 59.69,24.765 U1.8@59.69,26.175
A3: CN1.10B U1.7 U2.7 | length 50.5
  Top Layer w0.3: CN1.10B@34.64,2 34.64,2.248 30.96,5.928 30.96,7.512 28.575,9.897 U2.7@28.575,12.7 28.575,14.4 34.26,20.085 53.74,20.085 58.42,24.765 U1.7@58.42,26.175
A4: CN1.22B U1.6 U2.6 | length 70.1
  Top Layer w0.3: U2.6@26.035,12.7 26.035,14.4 32.21,20.575 52.96,20.575 57.15,24.765 U1.6@57.15,26.175
  Bottom Layer w0.3: CN1.22B@4.16,2 4.16,1.55 5.3,0.41 14.792,0.41 15.46,1.078 15.46,3.175 14.901,3.734 14.901,3.983 15.688,4.77 17.568,4.77 17.858,5.06 19.672,5.06 20.54,5.928 20.54,7.512 22.378,9.35 23.135,9.35 26.035,12.25 U2.6@26.035,12.7
A5: CN1.21B U1.5 U2.5 | length 65.3
  Top Layer w0.3: U2.5@23.495,12.7 23.495,14.4 30.195,21.1 52.215,21.1 55.88,24.765 U1.5@55.88,26.175
  Bottom Layer w0.3: CN1.21B@6.7,2 6.7,2.248 10.38,5.928 10.38,7.512 12.343,9.476 12.642,9.476 14.605,11.439 14.605,13.492 15.893,14.78 21.865,14.78 23.495,13.15 U2.5@23.495,12.7
A6: CN1.20B U1.4 U2.4 U4.2 | length 96.9
  Top Layer w0.3: v1(15.24,29.525) 15.24,29.628 17.78,32.168 v1(17.78,34.29) ; U4.2@16.14,46.355 v1(17.145,46.355) ; U2.4@20.955,12.7 20.955,14.4 28.145,21.59 51.435,21.59 54.61,24.765 U1.4@54.61,26.175
  Bottom Layer w0.3: CN1.20B@9.24,2 9.24,2.248 13.18,6.188 13.18,7.943 17.015,11.778 17.015,13.362 17.943,14.29 19.815,14.29 20.955,13.15 U2.4@20.955,12.7 ; v1(15.24,29.525) 15.137,29.525 14.735,29.123 14.735,24.43 v1(22.86,16.305) ; v1(17.145,46.355) 17.145,34.925 v1(17.78,34.29)
A7: CN1.19B U1.3 U2.3 | length 55.8
  Top Layer w0.3: U2.3@18.415,12.7 18.415,14.4 26.24,22.225 50.71,22.225 53.283,24.798 53.283,26.118 U1.3@53.34,26.175
  Bottom Layer w0.3: CN1.19B@11.78,2 11.78,2.45 14.59,5.26 14.792,5.26 15.72,6.188 15.72,7.772 18.415,10.467 U2.3@18.415,12.7
A8: CN1.18B U1.25 U2.25 | length 73.2
  Top Layer w0.3: U2.25@20.955,27.94 20.955,28.39 27.67,35.105 49.904,35.105 50.129,34.88 51.471,34.88 51.696,35.105 53.965,35.105 54.61,35.75 U1.25@54.61,37.325
  Bottom Layer w0.3: CN1.18B@14.32,2 14.32,4.109 14.981,4.77 14.995,4.77 15.485,5.26 17.332,5.26 18.26,6.188 18.26,7.772 20.328,9.84 22.697,9.84 24.765,11.908 24.765,23.68 20.955,27.49 U2.25@20.955,27.94
A9: CN1.17B U1.24 U2.24 | length 71.1
  Top Layer w0.3: U2.24@23.495,27.94 23.495,28.39 29.72,34.615 49.701,34.615 49.926,34.39 51.674,34.39 51.899,34.615 54.745,34.615 55.88,35.75 U1.24@55.88,37.325
  Bottom Layer w0.3: CN1.17B@16.86,2 16.86,2.45 18.49,4.08 21.232,4.08 23.34,6.188 23.34,7.772 27.305,11.737 27.305,23.68 23.495,27.49 U2.24@23.495,27.94
A10: CN1.16B U1.21 U2.21 | length 71.5
  Top Layer w0.3: U2.21@31.115,27.94 31.115,28.39 33.165,30.44 33.165,31.336 34.804,32.975 35.293,32.975 35.323,32.945 36.23,32.945 36.795,33.51 49.42,33.51 49.52,33.41 52.08,33.41 52.305,33.635 57.575,33.635 59.69,35.75 U1.21@59.69,37.325
  Bottom Layer w0.3: CN1.16B@19.4,2 19.4,1.55 20.54,0.41 22.412,0.41 23.34,1.338 23.34,2.922 24.973,4.555 26.787,4.555 28.42,6.188 28.42,7.779 32.385,11.744 32.385,26.22 31.115,27.49 U2.21@31.115,27.94
A11: CN1.15B U1.23 U2.23 | length 67.4
  Top Layer w0.3: U2.23@26.035,27.94 26.035,28.742 26.685,29.392 26.685,29.486 31.324,34.125 49.498,34.125 49.723,33.9 51.877,33.9 52.102,34.125 55.525,34.125 57.15,35.75 U1.23@57.15,37.325
  Bottom Layer w0.3: CN1.15B@21.94,2 21.94,2.248 25.62,5.928 25.62,7.512 29.845,11.737 29.845,23.68 26.035,27.49 U2.23@26.035,27.94
A12: CN1.14B U1.2 U2.2 | length 62
  Top Layer w0.3: v1(26.787,3.81) 25.576,5.021 24.247,5.021 23.329,5.938 23.329,7.523 21.436,9.416 18.753,9.416 15.875,12.294 U2.2@15.875,12.7 15.875,13.15 25.585,22.86 50.33,22.86 52.07,24.6 U1.2@52.07,26.175
  Bottom Layer w0.3: CN1.14B@24.48,2 24.48,2.45 25.84,3.81 v1(26.787,3.81)
A13: CN1.13B U1.26 U4.12 | length 91.6
  Top Layer w0.3: U4.12@21.59,45.085 v1(23.495,45.085) ; v1(26.035,35.07) 26.029,35.076 19.555,28.602 19.555,27.018 12.195,19.658 12.195,11.309 13.585,9.919 15.853,9.919 18,7.772 18,6.188 19.657,4.531 24.939,4.531 27.02,2.45 CN1.13B@27.02,2 ; v1@26.094,35.103 26.094,35.129 26.56,35.595 50.107,35.595 50.332,35.37 51.268,35.37 51.493,35.595 53.071,35.595 53.34,35.864 U1.26@53.34,37.325
  Bottom Layer w0.3: v1(23.495,45.085) 23.495,37.61 v1(26.035,35.07)
A13G: U3.2 U4.11 | length 7
  Top Layer w0.3: U4.11@21.59,43.815 22.894,43.815 23.249,44.17 24.485,44.17 26.67,46.355 U3.2@27.57,46.355
A14: CN1.12B R6.1 | length 40.9
  Top Layer w0.3: R6.1@9.525,23.054 9.525,20.997 10.725,19.797 10.725,11.103 10.38,10.758 10.38,6.188 12.978,3.59 24.985,3.59 25.88,2.695 25.88,1.078 26.548,0.41 28.42,0.41 29.56,1.55 CN1.12B@29.56,2
A15: CN1.11B U3.3 U4.13 | length 61.7
  Top Layer w0.3: U4.13@21.59,46.355 22.86,46.355 23.495,46.99 v1(26.625,46.99) ; v1(26.494,45.085) U3.3@27.57,45.085 30.48,45.085 v1(30.535,45.14) ; v1(32.385,32.385) 29.975,29.975 29.975,27.018 30.643,26.35 v1(33.02,26.35)
  Bottom Layer w0.3: v1(26.494,45.085) 26.494,46.805 26.625,46.936 v1(26.625,46.99) ; v1(30.535,45.14) 30.48,45.085 30.48,43.18 32.385,41.275 v1(32.385,32.385) ; CN1.11B@32.1,2 32.1,2.45 30.96,3.59 30.96,7.943 34.795,11.778 34.795,24.575 v1(33.02,26.35)
A\T\N\: CN2.3 D3.2 D8.1 R10.1 U6.10 U7.4 | length 76.7
  Top Layer w0.3: CN2.3@10.465,53.848 13.242,56.625 29.32,56.625 29.845,57.15 D3.2@29.845,57.91 ; D8.1@29.845,59.945 v1(29.845,58.928) D3.2@29.845,57.91 ; R10.1@32.385,57.91 D3.2@29.845,57.91 ; U6.10@42.73,40.005 43.155,40.005 44.785,41.635 44.785,42.139 45.176,42.53 45.176,43.08 v1(45.214,43.119) ; U7.4@52.07,48.26 v1(53.975,48.26)
  Bottom Layer w0.3: v1(29.845,58.928) 31.242,60.325 36.322,60.325 39.497,57.15 45.72,57.15 46.355,56.515 46.355,44.259 v1(45.214,43.119) 48.834,43.119 51.381,45.666 52.908,45.666 53.975,46.733 v1(53.975,48.26)